# Altium PCB smoothieboard-5driver.PcbDoc (part 4 of 5)
Units mm, origin at the board's own origin, x right, y up, seen from the top; angles counter-clockwise.
Board outline 129.55 x 105.03 mm, 4 copper layers (Top, Route2, Route15, Bottom), stack 1.46 mm thick; 318 components, 238 nets, 1069 pads, 669 vias.
Unrouted connection lines stored in the file: 1.
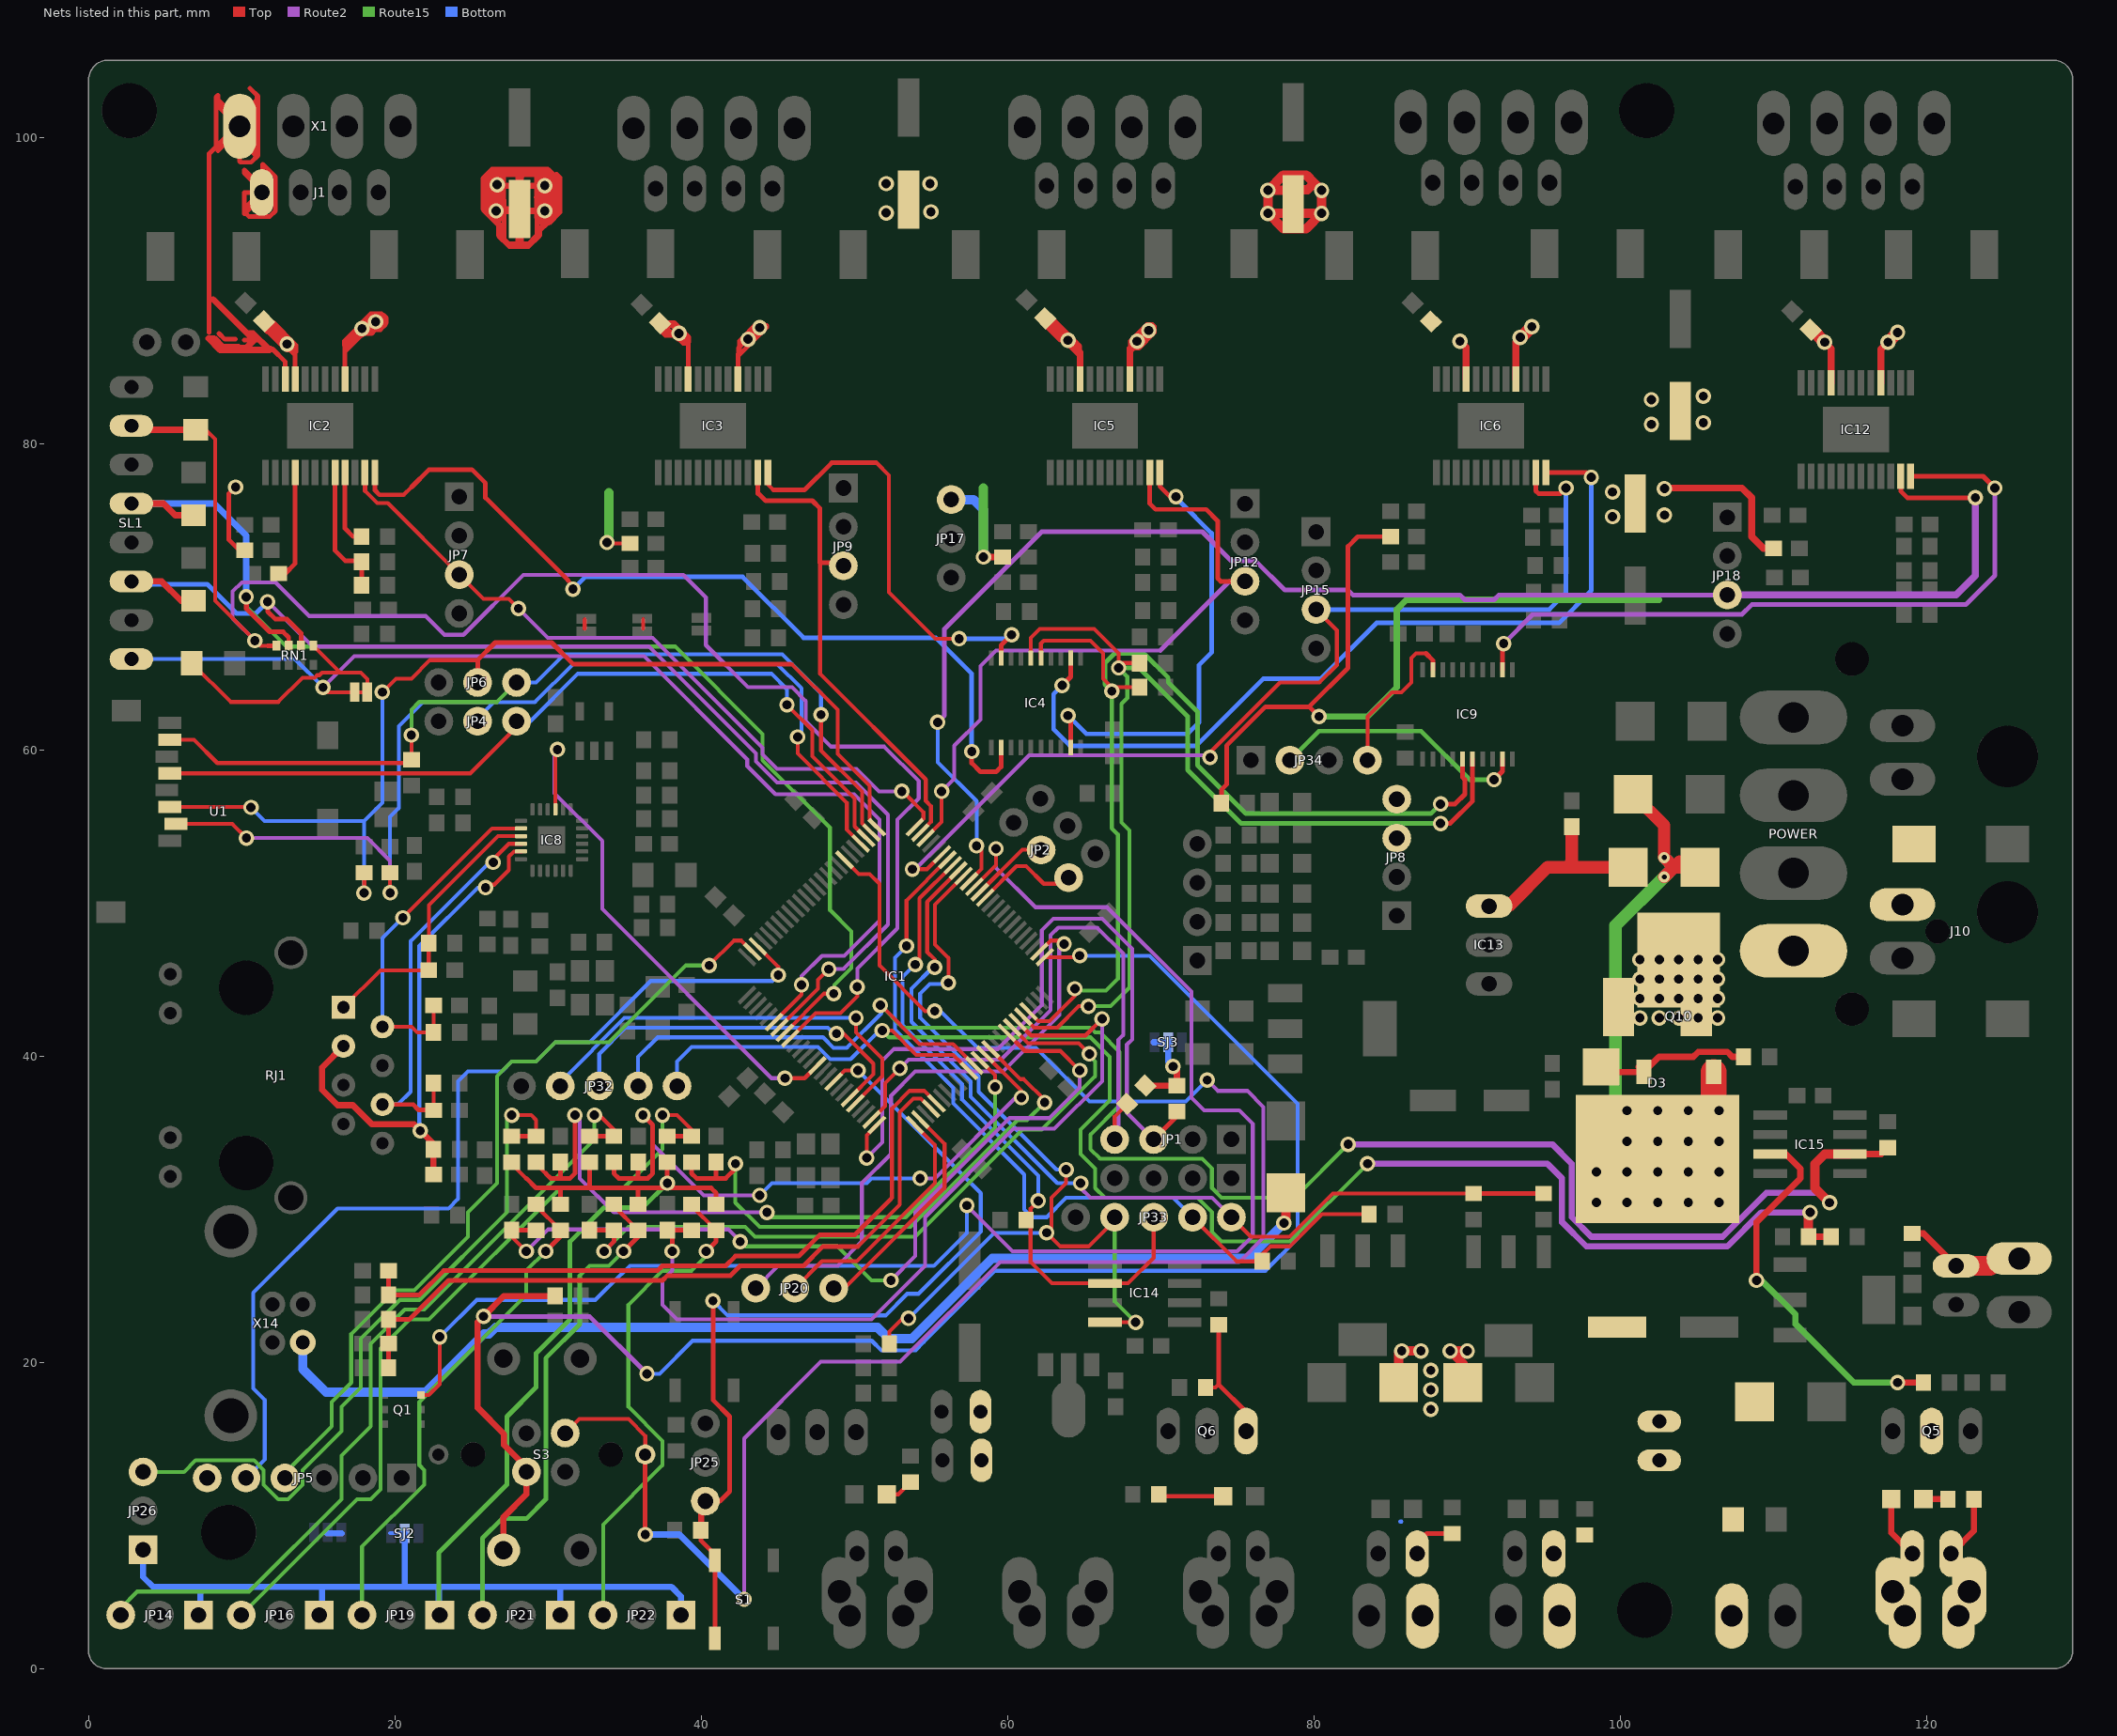
[diagram p6: the nets of this part, all layers, seen from the top]

## Via types
v1: diameter 1.006/1.006/1.006/1.006 (per signal layer), hole 0.6, Top to Bottom, tented both sides, 666 vias
v2: diameter 0.737/0.737/0.737/0.737 (per signal layer), hole 0.33, Top to Bottom, tented both sides, 2 vias
v3: diameter 1.016/1.006/1.006/1.016 (per signal layer), hole 0.6, Top to Bottom, tented both sides, 1 vias

## Nets (pads, with @x,y where several pads share a name; then routed paths per layer and width w, separated by ;. In a path a pad name is that pad's centre, name@x,y a point inside that pad or via, vN(x,y) a via of type N, cw(c..) or ccw(c..) an arc to the next point about the centre after c; other vN are vias at no path point) (continued)
N$104: IC2.P22 J1.4 X1.4 | length 87.6
  Top w0.305: 7.882,87.249 7.882,98.933 9.66,100.711 X1.4@9.787,100.711 ; 8.517,87.185 8.898,86.804 9.597,86.804 ; 8.517,102.362 X1.4@9.787,101.092 ; X1.4@9.978,101.409 10.994,102.425 ; 10.168,86.741 11.248,86.741 ; 10.549,103.188 11.057,102.679 11.057,98.806 10.613,98.361 9.914,98.361 9.851,98.425 X1.4@9.851,100.52 ; 10.994,102.616 10.994,102.425 ; J1.4@11.248,96.774 10.168,97.853 10.168,97.663 11.184,96.647 J1.4@11.184,96.329 ; J1.4@11.311,96.393 J1.4@11.248,96.393 ; 11.819,86.169 12.01,86.169 12.846,85.333 IC2.P22@12.846,84.203 ; X1.4@9.787,100.711 X1.4@9.787,101.092 ; X1.4@9.787,100.711 8.454,102.044 8.454,102.743 8.327,102.616 8.327,99.441 8.454,99.314 8.454,99.123 9.724,100.393 9.787,100.393 10.041,100.139 10.041,99.885 10.93,98.996 10.93,98.806 9.978,99.758 9.978,100.013 10.93,99.06 10.994,99.06 10.994,100.52 X1.4@9.851,100.52 ; X1.4@9.787,100.711 X1.4@9.851,100.711 ; X1.4@9.787,101.092 9.851,101.028 10.994,102.171 10.994,102.425 ; X1.4@9.851,100.52 9.914,100.584 9.914,100.901 10.994,100.901 10.994,100.711 X1.4@9.871,100.711 X1.4@9.851,100.711 ; X1.4@9.851,100.52 X1.4@9.851,100.711 ; J1.4@11.184,96.329 10.168,95.313 10.168,94.996 11.248,96.075 J1.4@11.248,96.393 ; J1.4@11.184,96.329 J1.4@11.248,96.393 ; J1.4@11.184,96.329 11.184,94.869 11.375,94.869 11.311,94.932 11.311,96.203 11.375,96.139 12.137,96.139 12.137,96.329 11.375,96.329 11.375,98.234 12.2,97.409 12.2,95.186 11.819,94.805 10.486,94.805 10.168,95.123 10.168,96.393 J1.4@11.248,96.393
  Top w0.406: 8.136,89.408 10.676,86.868 10.93,86.868 10.295,86.233 9.851,86.233 9.787,86.296 8.771,86.296 8.2,86.868 7.819,86.868 8.581,86.106 11.819,86.106 ; 10.486,87.185 10.74,87.185 11.819,86.106 ; 11.883,86.169 11.819,86.106
N$105: LED7.A R67.2 | length 4.2
  Top w0.254: R67.2@69.882,11.367 70.009,11.239 LED7.A@74.078,11.239
N$106: IC2.P08 R22.2 R26.1 | length 8.7
  Top w0.305: IC2.P08@16.096,78.103 16.096,73.002 16.772,72.326 17.764,72.326 R22.2@17.827,72.263 R26.1@17.827,70.739
N$107: C15.2 IC2.P04 | length 7.3
  Top w0.305: C15.2@12.415,71.501 12.835,71.501 13.496,72.162 IC2.P04@13.496,78.103
N$108: IC2.P09 R24.1 | length 5.2
  Top w0.254: R24.1@17.827,73.914 17.827,73.875 R24.1@17.852,73.85
  Top w0.305: IC2.P09@16.746,78.103 16.746,74.448 17.28,73.914 17.788,73.914 17.852,73.85 R24.1@17.852,73.977
N$109: J13.2 LED12.C Q5.D U$7.P$1 X16.2 | length 4.3
  Top w0.406: LED12.C@117.801,11.147 LED12.C@117.703,11.049 117.703,8.861 J13.2@119.071,7.493
N$110: LED12.A R85.2 | length 1.6
  Top w0.406: LED12.A@119.803,11.049 R85.2@121.396,11.049
N$111: D5.A Q10.1 R89.1 | length 10.8
  Top w0.406: D5.A@98.751,39.284 98.751,38.951 Q10.1@101.551,38.951 ; Q10.1@101.218,39.284 Q10.1@101.551,38.951 ; R89.1@108.061,39.941 107.323,39.941 107.006,40.259 105.101,40.259 104.783,39.941 102.54,39.941 Q10.1@101.551,38.951
N$112: LED8.A R68.2 | length 1.9
  Top w0.254: LED8.A@52.112,11.367 52.864,11.367 R68.2@53.666,12.168
N$113: IC15.7 R88.2 | length 24.9
  Top w0.406: v1(108.911,25.336) 108.911,29.146 111.768,32.004 111.768,32.639 110.816,33.591 IC15.7@109.803,33.591 ; v1(118.118,18.669) R88.2@119.808,18.669
  Route15 w0.406: v1(108.911,25.336) 109.228,25.336 111.451,23.114 111.451,22.479 115.261,18.669 v1(118.118,18.669)
N$114: JP14.3 R94.1 R95.1 | length 54.4
  Top w0.254: v1(33.028,36.131) 33.346,36.131 34.298,35.179 R95.1@34.298,34.759 R95.1@34.298,34.544
  Top w0.305: R94.1@32.711,34.759 R95.1@34.298,34.759
  Route15 w0.254: JP14.3@2.104,3.492 2.104,3.937 3.183,5.016 10.486,5.016 16.518,11.049 16.518,13.906 18.423,15.811 18.423,21.209 20.646,23.431 21.916,23.431 33.028,34.544 v1(33.028,36.131)
N$115: JP14.1 JP16.1 JP19.1 JP21.1 JP22.1 JP26.1 R93.2 R94.2 R96.2 R98.2 R100.2 R102.2 SJ2.2 | length 106.9
  Top w0.254: R93.2@27.631,33.059 27.631,32.956 28.583,32.004
  Top w0.305: 28.583,32.004 29.218,31.369 30.806,31.369 ; R98.2@30.806,30.314 30.806,31.369 ; R94.2@32.711,33.059 32.711,31.369 ; R100.2@35.886,30.314 35.886,31.369 ; R96.2@37.791,33.059 v1(37.791,31.686) v1@37.791,31.369 ; R102.2@40.966,30.314 40.966,31.051 40.648,31.369 v1@37.791,31.369 ; 30.806,31.369 32.711,31.369 ; 32.711,31.369 35.886,31.369 ; 35.886,31.369 v1@37.791,31.369
  Route15 w0.305: JP19.1@22.932,3.492 22.868,3.556 22.868,7.556 27.313,12.002 27.313,16.447 29.218,18.351 29.218,20.574 31.441,22.796 31.441,27.877 33.663,30.099 36.203,30.099 v1(37.791,31.686)
  Bottom w0.254: 19.693,8.826 SJ2.2@20.646,8.826
  Bottom w0.406: JP26.1@3.564,7.747 3.564,5.969 4.199,5.334 7.311,5.334 ; JP14.1@7.184,3.492 7.311,3.619 7.311,5.334 ; JP16.1@15.058,3.492 15.248,3.683 15.248,5.334 ; SJ2.2@20.646,8.826 20.646,5.334 ; JP19.1@22.932,3.492 22.868,3.556 22.868,5.334 ; JP21.1@30.806,3.492 30.806,5.334 ; JP22.1@38.68,3.492 38.68,4.699 38.045,5.334 30.806,5.334 ; 7.311,5.334 15.248,5.334 ; 15.248,5.334 20.646,5.334 ; 20.646,5.334 22.868,5.334 ; 22.868,5.334 30.806,5.334
N$116: JP16.3 R96.1 R97.1 | length 52
  Top w0.254: v1(37.473,36.131) 38.426,36.131 39.378,35.179 R97.1@39.378,34.759
  Top w0.305: R96.1@37.791,34.759 R97.1@39.378,34.759
  Route15 w0.254: JP16.3@9.978,3.492 17.534,11.049 18.423,11.049 19.058,11.684 19.058,20.892 20.963,22.796 22.233,22.796 30.806,31.369 34.933,31.369 37.473,33.909 v1(37.473,36.131)
N$117: JP19.3 R98.1 R99.1 | length 33.3
  Top w0.254: R99.1@29.218,30.314 29.218,30.202 R98.1@30.806,28.614
  Top w0.305: v1(29.853,27.241) 30.806,28.194 R98.1@30.806,28.614 R98.1@30.806,28.829
  Route15 w0.254: JP19.3@17.852,3.492 17.852,7.938 21.916,12.002 21.916,12.954 21.598,13.271 21.598,17.399 28.583,24.384 28.583,25.971 v1(29.853,27.241)
N$118: JP22.3 R102.1 R103.1 | length 33.5
  Top w0.254: R103.1@39.378,30.314 39.378,30.202 R102.1@40.966,28.614
  Top w0.305: v1(40.331,27.241) 40.966,27.877 R102.1@40.966,28.614
  Route15 w0.254: JP22.3@33.6,3.492 33.6,9.398 37.473,13.271 37.473,14.859 35.251,17.081 35.251,23.749 37.473,25.971 39.378,25.971 40.331,26.924 v1(40.331,27.241)
N$119: JP21.3 R100.1 R101.1 | length 33.4
  Top w0.254: R101.1@34.298,30.314 34.298,30.202 R100.1@35.886,28.614
  Top w0.305: v1(34.933,27.241) 35.886,28.194 R100.1@35.886,28.614
  Route15 w0.254: 32.076,25.654 32.711,26.289 33.981,26.289 v1(34.933,27.241)
  Route15 w0.305: JP21.3@25.726,3.492 25.726,8.509 26.996,9.779 28.583,9.779 29.853,11.049 29.853,20.256 32.076,22.479 32.076,25.654
N$120:  | length 0.6
  Top w0.254: 32.393,67.882 32.393,68.516
N$121:  | length 1
  Bottom w0.406: 15.566,8.826 16.518,8.826
N$122: JP26.3 R92.1 R93.1 | length 47.6
  Top w0.254: v1(27.631,36.131) 28.901,36.131 29.218,35.814 R92.1@29.218,34.759
  Top w0.305: R93.1@27.631,34.759 R92.1@29.218,34.759
  Route15 w0.254: JP26.3@3.564,12.827 6.231,12.827 6.993,13.589 10.803,13.589 11.438,12.954 11.438,12.002 12.391,11.049 13.026,11.049 13.978,12.002 13.978,12.954 16.518,15.494 16.518,17.081 17.788,18.351 17.788,21.526 20.328,24.066 21.598,24.066 27.313,29.781 27.313,35.814 v1(27.631,36.131)
N$123:  | length 0.6
  Top w0.254: 36.203,67.882 36.203,68.516
N$124: R5.2 R6.2 SJ3.2 | length 6.1
  Top w0.406: R5.2@69.006,38.061 R6.2@71.065,38.061 71.065,39.052 v1(70.811,39.306)
  Bottom w0.406: 69.541,40.894 SJ3.2@70.493,40.894 70.493,39.624 v1(70.811,39.306)
P0W: IC2.P12 IC4.12 | length 57.6
  Top w0.254: 18.995,76.644 20.582,76.644 21.09,77.153 ; 31.314,71.056 31.885,70.485 v1(31.631,70.485)
  Top w0.305: IC2.P12@18.696,78.103 18.696,76.943 18.995,76.644 ; 21.09,77.153 22.233,78.295 25.027,78.295 25.916,77.406 25.916,76.454 31.314,71.056 ; v1(57.666,59.88) 57.666,59.118 58.238,58.547 59.254,58.547 59.582,58.875 IC4.12@59.582,60.138
  Bottom w0.305: v1(31.631,70.485) 32.425,71.279 42.711,71.279 46.681,67.31 55.317,67.31 57.666,64.96 v1(57.666,59.88)
P1_22: IC1.36 JP32.1 R82.2 R83.1 | length 107.5
  Top w0.254: v1(51.824,41.656) 52.459,41.656 54.047,40.069 56.46,40.069 57.486,39.042 IC1.36@57.486,39.025
  Top w0.406: R82.2@112.3,28.194 R83.1@113.776,28.194
  Top w0.61: R82.2@112.3,28.194 112.3,29.679 v1(112.403,29.781)
  Route2 w0.406: v1(83.511,32.956) 95.258,32.956 96.211,32.004 96.211,29.146 97.798,27.559 107.006,27.559 109.228,29.781 v1(112.403,29.781)
  Route15 w0.254: v1(51.824,41.656) 52.269,41.212 65.413,41.212 66.683,39.941 66.683,37.084 64.778,35.179 64.778,33.591 65.731,32.639 65.731,31.369 66.366,30.734 72.398,30.734 73.351,29.781 73.351,28.511 73.986,27.877 78.431,27.877 v1(83.511,32.956)
  Bottom w0.254: JP32.1@38.426,38.036 38.426,39.624 39.378,40.576 47.633,40.576 48.431,39.779 49.758,39.779 51.635,41.656 v1(51.824,41.656)
P1_23: IC1.37 IC15.2 JP32.2 R87.2 | length 117.8
  Top w0.254: v1(51.697,43.307) 51.73,43.307 54.258,40.779 56.448,40.779 57.839,39.387 IC1.37@57.839,39.378
  Top w0.406: IC15.2@115.003,33.591 117.063,33.591 R87.2@117.483,34.012
  Top w0.61: v1(113.673,30.416) 112.721,31.369 112.721,32.956 113.356,33.591 IC15.2@115.003,33.591
  Route2 w0.406: v1(82.241,34.227) 95.576,34.227 96.846,32.956 96.846,29.464 98.116,28.194 106.688,28.194 109.546,31.051 113.038,31.051 v1(113.673,30.416)
  Route15 w0.254: v1(51.697,43.307) 53.158,41.846 65.413,41.846 65.731,41.529 66.048,41.529 67.318,40.259 67.318,36.767 65.413,34.861 65.413,33.909 66.048,33.274 72.716,33.274 73.351,32.639 73.351,31.369 73.986,30.734 78.748,30.734 v1(82.241,34.227)
  Bottom w0.254: JP32.2@35.886,38.036 35.886,39.941 37.156,41.212 47.951,41.212 48.633,40.529 49.508,40.529 51.758,42.779 51.758,43.246 v1(51.697,43.307)
P1_30: IC1.21 JP32.4 | length 28.3
  Top w0.254: IC1.21@50.061,36.903 50.061,36.909 51.824,38.672 51.824,39.814 50.11,41.529 v1(50.11,42.481)
  Bottom w0.254: JP32.4@30.806,38.036 30.806,38.291 34.997,42.481 v1(50.11,42.481)
P1_31: IC1.20 JP32.3 | length 24.6
  Top w0.254: v1(48.84,41.465) 49.284,41.465 51.253,39.497 51.253,38.802 IC1.20@49.708,37.257
  Bottom w0.254: JP32.3@33.346,38.036 33.346,40.132 35.06,41.846 48.268,41.846 48.649,41.465 v1(48.84,41.465)
P1W: IC3.P12 IC4.9 | length 28.8
  Top w0.254: IC3.P12@44.35,78.103 44.35,77.324 44.712,76.962 ; 51.443,78.74 52.258,77.925 52.258,70.279 55.291,67.246 v1(56.841,67.246)
  Top w0.305: 44.712,76.962 46.744,76.962 48.522,78.74 51.443,78.74 ; IC4.9@59.582,65.973 59.582,66.813 v1(60.27,67.501) v1@60.27,67.437
  Bottom w0.305: v1(56.841,67.246) 60.016,67.246 v1(60.27,67.501)
P2.6: IC1.67 JP33.1 R75.2 R76.1 | length 60.7
  Top w0.254: v1(55.253,45.783) 55.253,46.284 54.758,46.779 54.758,50.051 56.779,52.072 IC1.67@56.779,52.106 ; JP33.1@74.621,29.464 75.891,28.194 78.431,28.194 81.249,31.012 R76.1@90.432,31.012
  Top w0.305: R76.1@90.432,31.012 R75.2@95.004,31.012
  Route2 w0.254: v1(64.778,31.686) 64.778,31.369 65.413,30.734 73.351,30.734 JP33.1@74.621,29.464
  Bottom w0.254: v1(55.253,45.783) 55.126,45.783 53.729,44.386 53.729,42.227 57.603,38.354 57.603,37.338 63.254,31.686 v1(64.778,31.686)
P2.7: IC1.66 IC14.4 JP33.4 R72.2 | length 59.6
  Top w0.254: R72.2@52.293,21.209 52.293,21.995 53.158,22.86 v1(53.539,22.86) ; v1(56.142,44.767) 56.142,46.395 55.258,47.279 55.258,49.878 IC1.66@57.132,51.753 ; v1(63.826,32.575) 63.826,31.686 62.873,30.734 62.873,28.765 v1(62.556,28.448) 63.445,27.559 65.286,27.559 67.001,29.273 JP33.4@67.001,29.464 ; IC14.4@66.369,22.606 v1(68.365,22.606) v1@68.398,22.639
  Route15 w0.254: JP33.4@67.001,29.464 67.001,23.97 v1(68.365,22.606)
  Bottom w0.254: v1(53.539,22.86) 59.127,28.448 v1(62.556,28.448) ; v1(56.142,44.767) 56.079,44.704 54.936,44.704 54.301,44.069 54.301,42.481 58.111,38.672 58.111,37.655 63.191,32.575 v1(63.826,32.575)
P2.9: IC1.64 Q1.3 | length 103.3
  Top w0.254: Q1.3@21.708,17.844 22.208,17.844 22.932,18.567 v1(22.932,21.653) ; IC1.64@57.839,51.046 59.254,52.46 v1(59.254,53.53)
  Route2 w0.254: v1(57.349,30.226) 60.333,27.241 75.002,27.241 76.018,28.258 76.018,35.56 75.129,36.449 72.843,36.449 72.017,37.274 72.017,44.196 66.501,49.712 61.826,49.712 59.254,52.284 v1(59.254,53.53)
  Bottom w0.254: v1(22.932,21.653) 22.94,21.653 25.353,24.066 33.092,24.066 34.806,25.781 34.843,25.781 35.351,26.289 55.19,26.289 57.349,28.448 v1(57.349,30.226)
P2W: IC4.19 IC5.P12 | length 29.9
  Top w0.305: v1(63.953,62.23) 63.953,62.166 64.132,61.987 IC4.19@64.132,60.138 ; IC5.P12@69.941,78.103 69.941,77.197 70.557,76.581 70.938,76.581 v1(71.001,76.517)
  Bottom w0.305: v1(63.953,62.23) 65.153,61.029 71.758,61.029 72.508,61.779 72.508,65.529 73.319,66.34 73.319,74.136 71.255,76.2 71.255,76.263 v1(71.001,76.517) v1@71.001,76.581
P3W: IC4.2 IC6.P12 | length 55.3
  Top w0.305: v1(63.572,64.198) 64.132,64.759 IC4.2@64.132,65.973 ; IC6.P12@95.15,78.103 97.8,78.103 v1(98.116,77.787)
  Bottom w0.305: v1(63.572,64.198) 63.008,63.635 63.008,61.333 64.08,60.261 72.335,60.261 76.716,64.643 80.463,64.643 84.099,68.279 96.008,68.279 98.116,70.386 v1(98.116,77.787)
PLAY: IC1.51 JP23.1 R16.1 S3.4 | length 110.8
  Top w0.254: IC1.51@62.436,46.449 64.618,46.449 v1(64.715,46.545)
  Top w0.406: S3.4@27.099,7.72 27.099,9.882 28.583,11.367 JP23.1@28.583,12.827 28.583,13.144 27.123,14.605 27.123,15.303 25.408,17.018 25.408,22.606 v1(25.789,22.987) 27.123,24.32 R16.1@30.464,24.32
  Route2 w0.305: v1(25.789,22.987) 32.711,22.987 v1(36.457,19.241)
  Bottom w0.254: v1(36.457,19.241) 37.287,19.241 39.446,21.399 51.137,21.399 51.758,20.779 54.008,20.779 54.508,21.279 54.508,21.29 59.19,25.971 76.843,25.971 78.95,28.079 78.95,36.882 69.287,46.545 v1(64.715,46.545)
PLAY_LED: IC1.82 JP24.2 S3.A | length 117.4
  Top w0.254: JP24.2@31.123,15.367 32.035,16.279 35.258,16.279 36.349,15.188 S3.A@36.349,13.97 ; IC1.82@49.354,52.813 50.288,51.88 50.999,51.88 51.634,51.244 51.634,45.91 54.618,42.926 v1(55.253,42.926)
  Top w0.305: v1(36.349,8.744) S3.A@36.349,13.97
  Route2 w0.254: v1(42.807,4.508) 42.807,15.018 47.818,20.029 53.002,20.029 59.516,26.543 75.129,26.543 76.716,28.13 76.716,36.656 75.653,37.719 73.732,37.719 v1(73.033,38.417)
  Bottom w0.254: v1(55.253,42.926) 55.634,42.926 58.047,40.513 61.857,40.513 65.35,37.02 71.636,37.02 v1(73.033,38.417)
  Bottom w0.406: v1(36.349,8.744) 38.572,8.744 v1(42.807,4.508)
POT_SCL: IC1.47 IC4.5 IC9.5 JP8.4 R36.1 | length 72.7
  Top w0.254: IC1.47@61.375,42.914 62.01,42.279 62.758,42.279 64.397,43.918 v1(64.397,44.386) ; IC4.5@62.182,65.973 62.182,66.937 62.365,67.12 65.413,67.12 66.239,66.294 66.239,64.643 v1@66.81,64.072 ; v1(66.81,63.817) v1@66.81,64.072 ; R36.1@68.627,64.072 v1@66.81,64.072
  Top w0.305: v1(88.273,56.451) 89.226,56.451 89.861,57.087 89.861,58.039 89.718,58.181 IC9.5@89.718,59.391
  Route15 w0.254: v1(64.397,44.386) 64.524,44.259 66.437,44.259 67.207,45.03 67.207,54.467 66.81,54.864 v1(66.81,63.817)
  Route15 w0.305: v1(66.81,63.817) 66.366,64.262 66.366,65.659 67.001,66.294 68.906,66.294 70.493,64.706 70.493,64.389 72.398,62.484 72.398,58.991 75.573,55.816 85.416,55.816 ; JP8.4@85.416,56.769 85.416,55.816 ; v1(88.273,56.451) 87.638,55.816 85.416,55.816
POT_SDA: IC1.46 IC4.6 IC9.6 JP8.3 R35.1 | length 73.8
  Top w0.254: IC1.46@61.022,42.56 61.022,42.555 61.73,41.846 63.254,41.846 64.651,43.243 v1(65.286,43.243) ; IC4.6@61.532,65.973 61.532,67.302 62.111,67.882 65.667,67.882 67.255,66.294 v1@67.255,65.659 ; v1(67.255,65.341) v1@67.255,65.659 ; R35.1@68.627,65.659 v1@67.255,65.659
  Top w0.305: v1(88.273,55.181) 88.908,55.181 90.368,56.641 IC9.6@90.368,59.391
  Route15 w0.254: v1(65.286,43.243) 66.747,43.243 67.969,44.466 67.969,54.721 67.445,55.245 67.445,62.992 67.826,63.373 67.826,64.77 v1(67.255,65.341)
  Route15 w0.305: v1(67.255,65.341) 68.588,65.341 71.763,62.166 71.763,58.674 75.256,55.181 85.416,55.181 ; JP8.3@85.416,54.229 85.416,55.181 ; v1(88.273,55.181) 85.416,55.181
PW5: IC9.12 IC12.P12 | length 47.2
  Top w0.305: IC9.12@92.318,65.227 92.318,66.846 v1(92.401,66.929) ; IC12.P12@118.97,77.859 123.698,77.859 v1(124.468,77.089)
  Route2 w0.305: v1(92.401,66.929) 94.306,68.834 107.958,68.834 108.593,69.469 122.563,69.469 124.468,71.374 v1(124.468,77.089)
PWM0: IC1.69 JP33.2 R73.2 R74.1 | length 54.3
  Top w0.254: v1(53.412,47.18) 53.412,50.153 IC1.69@56.072,52.813 ; JP33.2@72.081,29.464 74.96,26.585 R74.1@76.628,26.585 76.628,27.027 77.161,27.559 78.431,27.559 80.526,29.654 R73.2@83.613,29.654
  Bottom w0.254: v1(53.412,47.18) 52.65,46.419 52.65,41.719 56.46,37.91 56.46,36.893 61.095,32.258 61.095,29.972 61.603,29.464 62.556,29.464 63.826,30.734 70.811,30.734 JP33.2@72.081,29.464
PWM1: IC1.68 IC14.2 JP33.3 R71.2 | length 43.9
  Top w0.254: v1(53.983,45.974) 54.258,46.249 54.258,50.293 IC1.68@56.425,52.46 ; v1(62.008,30.529) 61.508,30.029 61.508,29.146 61.508,26.529 62.891,25.146 IC14.2@66.369,25.146 67.875,25.146 69.541,26.811 JP33.3@69.541,29.464 JP33.3@69.541,29.019
  Top w0.406: R71.2@61.209,29.281 61.373,29.281 R71.2@61.508,29.146
  Bottom w0.254: v1(53.983,45.974) 53.158,45.148 53.158,42.037 57.031,38.163 57.031,37.148 62.008,32.171 v1(62.008,30.529)
PWM1_FET: Q6.G R69.2 R90.1 | length 8.6
  Top w0.254: R90.1@72.93,18.351 73.584,18.351 73.785,18.552
  Top w0.305: R69.2@73.785,22.444 73.785,18.552 75.573,16.764 Q6.G@75.573,15.494
RD+: C56.1 IC8.23 R56.2 RJ1.RD+ | length 36.1
  Top w0.254: v1@25.98,51.054 v1(25.916,50.99) 26.107,51.181 26.488,51.181 27.44,52.133 27.44,53.023 27.769,53.352 IC8.23@28.234,53.352
  Top w0.406: RJ1.RD+@16.645,40.64 15.258,39.253 15.258,37.779 16.258,36.779 17.258,36.779 18.508,35.529 21.248,35.529 v1(21.662,35.115) 22.526,34.251 R56.2@22.526,33.909 C56.1@22.526,32.258
  Bottom w0.254: v1(21.662,35.115) 21.598,35.179 21.598,47.18 25.408,50.99 v1(25.916,50.99)